# Altium PCB MKontr.PcbDoc (part 2 of 3)
Units mm, origin at the board's own origin, x right, y up, seen from the top; angles counter-clockwise.
Board outline 160 x 125 mm, 2 copper layers (Top Layer, Bottom Layer), stack 1.571 mm thick; 243 components, 241 nets, 966 pads, 239 vias.
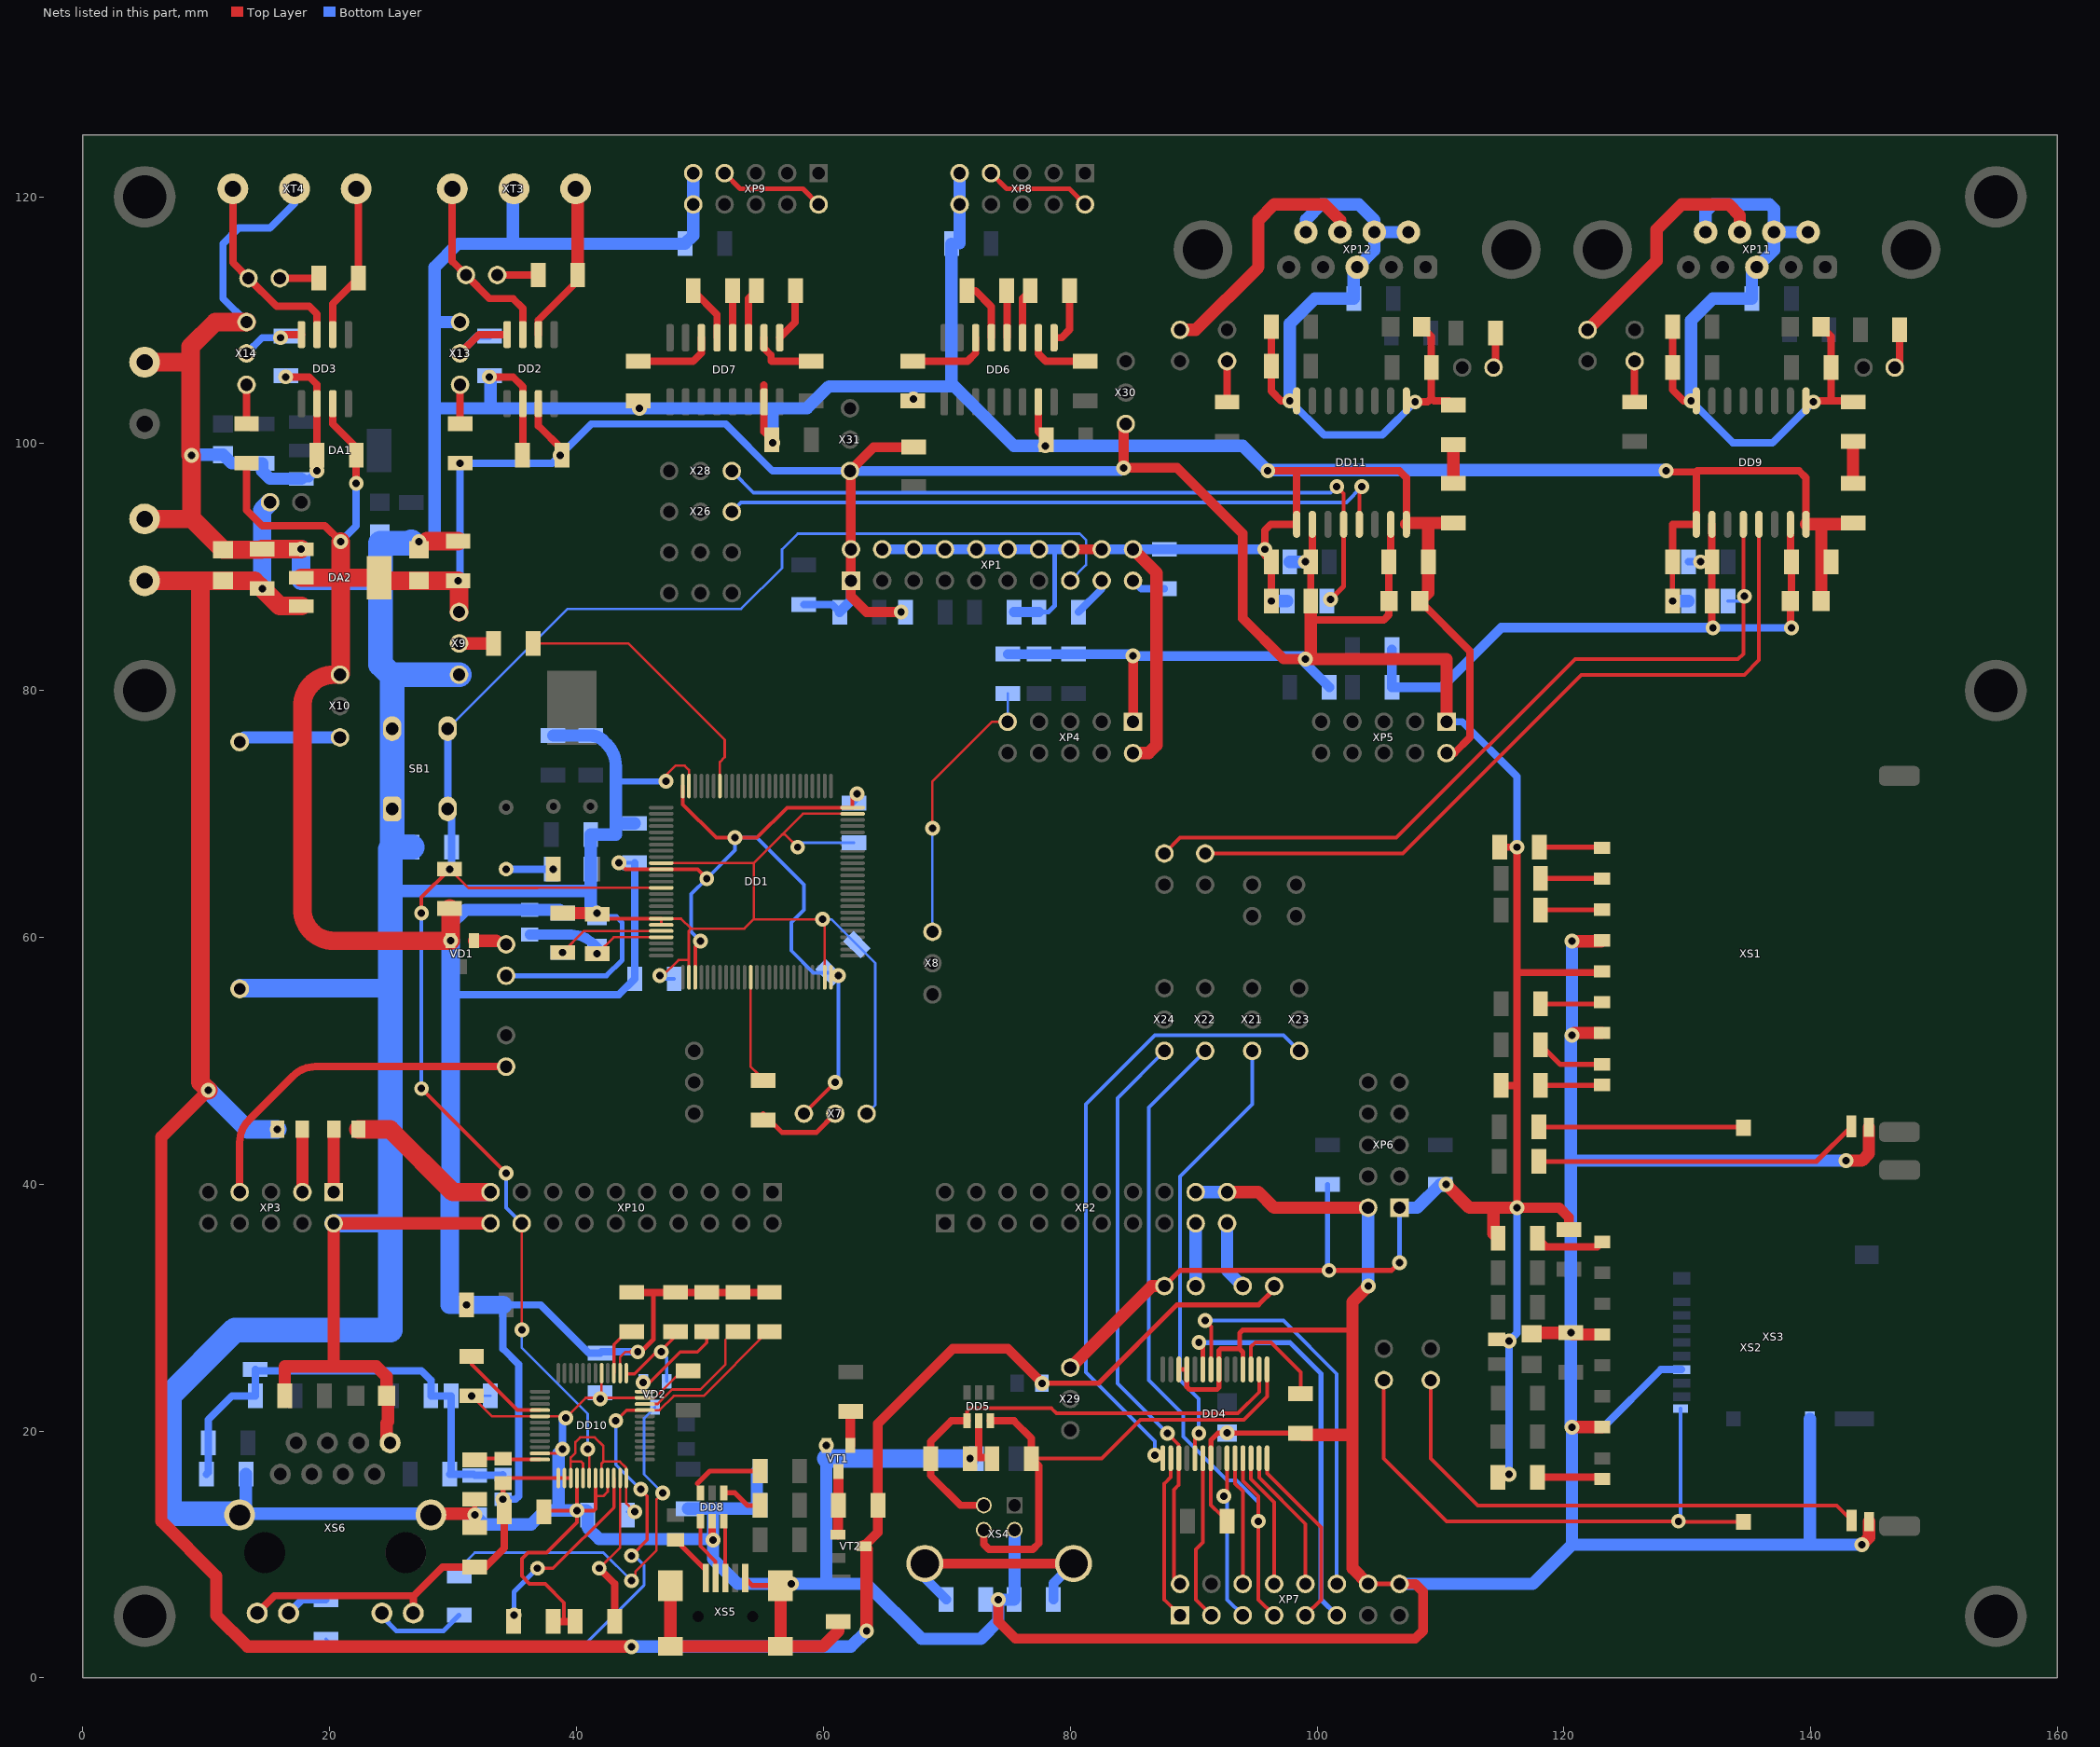
[diagram p2: the nets of this part, all layers, seen from the top]

## Via types
v1: diameter 1.2, hole 0.6, Top Layer to Bottom Layer, 239 vias

## Nets (pads, with @x,y where several pads share a name; then routed paths per layer and width w, separated by ;. In a path a pad name is that pad's centre, name@x,y a point inside that pad or via, vN(x,y) a via of type N, cw(c..) or ccw(c..) an arc to the next point about the centre after c; other vN are vias at no path point) (continued)
+3,3V: C6.1 C8.1 C17.1 C18.1 C19.1 C20.1 C21.1 C22.1 C47.1 C48.1 C49.1 C50.2 C58.1 C59.1 C63.1 C64.2 C67.2 C69.2 C72.2 C76.2 DA2.2 DA2.4 DD1.11 DD1.28 DD1.50 DD1.75 DD1.100 DD2.3 DD3.3 DD9.2 DD9.7 DD10.14 DD10.37 DD10.38 DD10.39 DD10.41 DD10.44 DD10.48 DD11.2 DD11.7 L1.2 L3.1 L4.1 L7.1 L8.2 R1.2 R3.2 R5.2 R7.2 R8.2 R12.2 R13.2 R14.2 R15.2 R16.2 R17.2 R18.2 R20.2 R26.1 R27.2 R28.2 R33.1 R34.1 R35.1 R36.2 R41.2 R48.1 R55.1 R63.1 R64.1 R65.1 R66.1 R67.1 R72.2 VD1.2 X1.1 X7.1 X9.1 X10.1 X29.1 X30.3 X31.3 XP1.1 XP1.2 XP4.1 XP5.1 XP6.1 XP10.19 XS1.4 XS6.9 XS6.12 | length 745
  Top Layer w0.2: DD10.39@39.525,16.197 39.525,17.526 ; DD10.41@40.525,16.197 40.525,17.387 40.386,17.526 39.525,17.526 ; DD10.44@42.025,16.197 42.025,17.387 42.164,17.526 ; DD10.14@43.525,24.697 43.525,25.999 43.942,26.416 v1@44.45,26.416 ; v1(44.704,13.462) 44.025,14.141 DD10.48@44.025,16.197 44.025,17.008 43.507,17.526 42.164,17.526 ; 39.525,17.526 39.525,17.861 39.9,18.236 39.9,19.1 40.292,19.492 41.468,19.492 42.164,18.796 42.164,17.526
  Top Layer w0.3: L8.2@34.036,15.78 34.453,16.197 DD10.37@38.525,16.197 DD10.38@39.025,16.197 DD10.39@39.475,16.197 ; v1(43.434,66.04) 43.958,65.516 DD1.11@46.86,65.516 49.8,65.516 v1(50.546,64.77) ; DD1.100@48.61,72.266 48.61,70.77 51.308,68.072 v1(52.832,68.072) 54.61,68.072 57.054,70.516 DD1.75@62.36,70.516 62.36,71.25 v1(62.738,71.628) ; DD1.28@49.61,56.766 49.61,59.262 v1(50.038,59.69) ; X7.1@58.42,45.72 v1(60.96,48.26)
  Top Layer w0.4: v1(34.036,14.478) L8.2@34.036,15.78 ; v1@44.45,26.416 45.212,26.416 46.228,27.432 46.228,31.242 ; X1.1@87.63,31.75 88.9,33.02 v1(100.965,33.02) 106.045,33.02 v1(106.68,33.655)
  Top Layer w0.6: R34.1@13.255,98.425 13.255,94.615 14.525,93.345 19.605,93.345 v1(20.875,92.075) ; XS6.9@14.122,5.26 15.522,6.66 26.74,6.66 26.772,6.628 ; DD3.3@20.24,103.245 20.24,101.6 22.145,99.695 C22.1@22.145,99.06 v1(22.145,96.774) ; 22.145,89.14 22.145,89.535 ; XS6.12@26.772,5.26 26.772,6.628 ; C69.2@34.138,13.462 34.138,10.516 32.614,8.992 C67.2@31.75,8.992 29.136,8.992 26.772,6.628 ; DD2.3@36.91,103.245 36.91,101.44 C21.1@38.815,99.535 ; R67.1@44.45,31.242 46.228,31.242 R63.1@55.626,31.242 ; 99.488,85.932 99.695,85.725 105.41,85.725 105.813,86.128 C64.2@105.813,90.424 105.965,90.576 DD11.7@105.965,93.472 ; C58.1@99.488,87.249 C63.1@99.488,90.424 99.615,90.551 DD11.2@99.615,93.472 ; L4.1@114.554,27.432 115.443,27.432 v1(115.57,27.305) ; R36.2@114.656,16.256 115.316,16.256 v1(115.57,16.51) ; R26.1@114.808,67.31 v1(116.205,67.31) 116.205,57.15 ; R20.2@114.91,48.006 116.205,48.006 ; v1(116.205,38.1) 116.205,48.006 ; XS1.4@123.094,57.254 122.99,57.15 116.205,57.15 ; v1(131.064,90.424) C49.1@132,90.424 ; v1@132,85.09 C47.1@132,87.249 C49.1@132,90.424 ; DD9.2@132,93.472 C49.1@132,90.424 ; DD9.7@138.35,93.472 138.35,90.526 C50.2@138.452,90.424 138.452,87.351 C48.1@138.35,87.249 138.35,85.17 v1(138.43,85.09) ; 116.205,48.006 116.205,57.15
  Top Layer w0.8: v1(66.294,86.36) 63.5,86.36 62.23,87.63 XP1.1@62.23,88.9 XP1.2@62.23,91.44 62.23,97.71 X31.3@62.15,97.79 64.08,99.72 R3.2@67.31,99.72 ; X30.3@84.502,101.6 84.328,101.426 v1(84.328,98.044) 88.646,98.044 93.98,92.71 93.98,85.852 97.282,82.55 v1(99.06,82.55) ; XP4.1@85.09,77.47 v1(85.09,82.804) ; v1(116.205,38.1) 119.634,38.1 120.396,37.338 R35.1@120.396,36.322
  Top Layer w1: X29.1@80.01,25.146 86.614,31.75 X1.1@87.63,31.75 ; C58.1@99.488,87.249 99.488,85.932 99.488,82.978 v1(99.06,82.55) 110.49,82.55 XP5.1@110.49,77.47 ; v1(110.465,39.98) 112.345,38.1 114.3,38.1 ; R41.2@114.672,35.639 114.3,36.011 114.3,38.1 ; v1(116.205,38.1) 114.3,38.1
  Top Layer w1.5: DA2.2@17.7,89.14 20.875,89.14 ; v1(20.875,92.075) 20.875,89.14 ; L1.2@22.32,44.45 24.892,44.45 29.972,39.37 XP10.19@33.02,39.37 ; R8.2@29.718,62.332 29.784,62.266 v1(29.784,59.724) 20.32,59.724 cw(c20.32,62.264) 17.78,62.264 17.78,78.74 cw(c20.32,78.74) 20.32,81.28 X10.1@20.828,81.28 20.875,81.327 20.875,89.14 ; X9.1@30.48,86.36 30.48,88.707 ccw(c30.207,88.707) v1(30.4,88.9) C6.1@27.225,88.9 24.24,88.9 DA2.4@24,89.14 22.145,89.14 20.875,89.14
  Bottom Layer w0.2: C76.2@44.094,13.462 v1(44.704,13.462) ; C76.2@44.221,13.335 v1@44.704,13.335
  Bottom Layer w0.3: v1(43.434,66.04) C17.1@44.704,66.04 ; v1(50.038,59.69) 49.276,60.452 49.276,63.5 v1(50.546,64.77) 52.832,67.056 v1(52.832,68.072) 54.61,68.072 58.42,64.262 58.42,62.23 57.404,61.214 57.404,58.928 59.182,57.15 C20.1@60.452,57.15 60.96,57.15 v1(61.214,56.896) 61.214,48.514 v1(60.96,48.26) ; C19.1@62.484,70.866 62.738,71.12 v1(62.738,71.628)
  Bottom Layer w0.4: R27.2@100.838,39.98 100.838,33.147 v1(100.965,33.02) ; v1(106.68,33.655) XP6.1@106.68,38.1
  Bottom Layer w0.6: v1(20.875,92.075) 22.145,93.345 v1(22.145,96.774) ; 29.784,55.372 43.434,55.372 C18.1@44.704,56.642 C17.1@44.704,66.04 ; v1(30.4,88.9) 30.56,89.06 v1(30.56,98.425) 38.02,98.425 v1(38.655,99.06) 41.195,101.6 52.07,101.6 55.88,97.79 X31.3@62.15,97.79 ; v1(34.036,14.478) 35.052,14.478 35.306,14.732 35.306,25.4 34.036,26.67 34.036,30.226 37.084,30.226 40.996,26.314 C72.2@41.91,26.314 42.012,26.416 v1(44.958,26.416) ; R7.2@58.42,86.97 60.706,86.97 R1.2@61.316,86.36 ; XP5.1@110.49,77.47 111.76,77.47 116.205,73.025 v1(116.205,67.31) ; v1(115.57,16.51) v1(115.57,27.305) 116.205,27.94 v1(116.205,38.1) ; R48.1@130.095,90.424 v1(131.064,90.424) ; v1(132.08,85.09) v1(138.43,85.09)
  Bottom Layer w0.8: R1.2@61.316,86.36 62.23,87.274 XP1.1@62.23,88.9 ; X31.3@62.15,97.79 84.074,97.79 v1(84.328,98.044) ; R15.2@74.93,82.956 R12.2@77.47,82.956 R14.2@80.264,82.956 84.938,82.956 v1(85.09,82.804) 98.806,82.804 v1(99.06,82.55) 99.06,82.194 R18.2@100.99,80.264 ; R17.2@106.07,83.312 R16.2@106.07,80.264 110.109,80.264 110.49,80.645 ; XP5.1@110.49,77.47 110.49,80.645 ; v1(132.08,85.09) 114.935,85.09 110.49,80.645
  Bottom Layer w1: v1(29.784,59.724) 29.784,61.026 30.988,62.23 L3.1@36.195,62.23 38.608,62.23 R13.2@38.862,61.976 ; R55.1@97.79,90.424 v1(99.06,90.424) ; XP6.1@106.68,38.1 108.102,38.1 R28.2@109.982,39.98 v1(110.465,39.98)
  Bottom Layer w1.5: v1(29.784,59.724) 29.784,55.372 29.784,39.436 29.718,39.37 ; XP10.19@33.02,39.37 29.718,39.37 ; 34.036,30.226 v1(31.09,30.226) 29.718,30.226 29.718,39.37
+5V: C2.1 C4.1 DA2.3 L2.2 L5.2 R46.2 VT2.3 X2.1 X4.1 XT2.1 | length 225.8
  Top Layer w0.4: v1(77.724,23.876) 82.296,23.876 88.646,30.226 95.25,30.226 96.52,31.496 X2.1@96.52,31.75
  Top Layer w0.8: v1(15.748,44.45) L2.2@15.78,44.45 ; VT2.3@63.454,10.841 64.414,11.802 R46.2@64.414,13.97 64.414,20.599 70.485,26.67 74.93,26.67 v1(77.724,23.876)
  Top Layer w1: v1(10.16,47.625) 6.35,43.815 6.35,12.7 10.795,8.255 10.795,5.08 13.335,2.54 v1(44.45,2.54) ; VT2.3@63.28,10.668 63.5,10.448 v1(63.5,3.81)
  Top Layer w1.5: XT2.1@5,88.9 9.525,88.9 ; v1(10.16,47.625) 9.525,48.26 9.525,88.9 ; DA2.3@17.7,86.84 15.95,86.84 v1(14.525,88.265) 13.89,88.9 C4.1@11.35,88.9 9.525,88.9
  Bottom Layer w1: v1(44.45,2.54) 62.23,2.54 v1(63.5,3.81)
  Bottom Layer w1.5: v1(10.16,47.625) 13.335,44.45 v1(15.748,44.45) ; v1(14.525,88.265) 14.525,94.615 X4.1@15.16,95.25
\RE1: DD9.4 R49.2 X20.1 | length 65.6
  Top Layer w0.3: X20.1@87.63,66.802 88.9,68.072 106.426,68.072 120.904,82.55 134.112,82.55 134.54,82.978 DD9.4@134.54,93.472
  Bottom Layer w0.3: R49.2@133.295,87.249 134.239,87.249 v1(134.62,87.63)
\RE2: DD11.4 R54.2 X28.3 | length 59.8
  Top Layer w0.3: v1(101.6,96.52) 102.155,95.965 DD11.4@102.155,93.472
  Top Layer w0.4: v1(101.092,87.376) 102.155,88.439 DD11.4@102.155,93.472
  Bottom Layer w0.3: X28.3@52.578,97.79 54.356,96.012 101.092,96.012 v1(101.6,96.52)
ACT: R61.1 XS6.11 | length 7.5
  Bottom Layer w0.4: XS6.11@24.232,5.26 24.232,4.978 25.4,3.81 29.21,3.81 R61.1@30.48,5.08
AGND: VD1.1 X5.1 | length 1.8
  Top Layer w1: VD1.1@31.684,59.724 33.494,59.724
AVDD33: C57.2 DD10.36 L8.1 | length 5.4
  Top Layer w0.3: C57.2@31.75,17.678 31.852,17.78 L8.1@34.036,17.78 34.119,17.697 DD10.36@37.025,17.697
BOOT0: DD1.94 R11.2 | length 22.7
  Top Layer w0.2: R11.2@36.474,83.82 44.196,83.82 52.004,76.012 52.004,74.61 51.61,74.216 DD1.94@51.61,72.266
BOOT1: DD1.37 R10.2 | length 8.5
  Top Layer w0.2: DD1.37@54.11,56.766 54.11,49.522 54.712,48.92 R10.2@55.118,48.92
D+: C28.2 DD4.15 DD5.3 XS4.3 | length 42.1
  Top Layer w0.3: C28.2@76.86,17.78 82.55,17.78 85.676,20.906 94.058,20.906 95.95,22.798 DD4.15@95.95,25
  Top Layer w0.6: XS4.3@72.988,11.99 72.988,10.832 73.406,10.414 76.962,10.414 77.47,10.922 77.47,17.17 C28.2@76.86,17.78 76.86,19.406 75.438,20.828 DD5.3@73.528,20.828
D-: C26.2 DD4.16 DD5.1 XS4.2 | length 38.9
  Top Layer w0.3: DD5.1@71.628,20.828 71.628,21.59 71.882,21.844 78.486,21.844 78.874,21.456 93.592,21.456 95.3,23.164 DD4.16@95.3,25
  Top Layer w0.6: DD5.1@71.628,20.828 70.358,20.828 68.682,19.152 C26.2@68.682,17.78 68.682,16.408 71.1,13.99 XS4.2@72.988,13.99
DE1: DD9.5 X18.1 | length 62.4
  Top Layer w0.3: X18.1@90.932,66.802 106.934,66.802 121.412,81.28 134.62,81.28 135.81,82.47 DD9.5@135.81,93.472
DE2: DD11.5 X26.3 | length 55
  Top Layer w0.3: DD11.5@103.425,93.472 103.425,96.313 v1(103.632,96.52)
  Bottom Layer w0.3: X26.3@52.578,94.488 53.34,95.25 102.362,95.25 v1(103.632,96.52)
ETH_X1: C61.2 DD10.46 ZQ3.1 | length 15.2
  Top Layer w0.25: ZQ3.1@36.83,8.89 38.1,8.89 43.025,13.815 DD10.46@43.025,16.197
  Bottom Layer w0.4: v1(34.925,5.08) 34.925,6.985 ZQ3.1@36.83,8.89
ETH_X2: C60.2 DD10.47 ZQ3.2 | length 12.8
  Top Layer w0.2: ZQ3.2@41.83,8.89 43.525,10.585 DD10.47@43.525,16.197
  Top Layer w0.6: ZQ3.2@41.83,8.89 43.078,7.642 C60.2@43.078,4.572
FT232_CTS: DD4.11 X22.3 XP7.7 | length 57.9
  Top Layer w0.3: DD4.11@94,17.8 94,15.982 95.25,14.732 v1(95.25,12.7) 95.25,6.35 XP7.7@96.52,5.08
  Bottom Layer w0.3: X22.3@90.932,50.8 86.36,46.228 86.36,24.13 89.154,21.336 89.154,19.558 92.71,16.002 93.472,16.002 95.25,14.224 v1(95.25,12.7)
FT232_DCD: DD4.10 XP7.6 | length 10.4
  Top Layer w0.3: DD4.10@93.35,17.8 93.35,15.76 93.98,15.13 XP7.6@93.98,7.62
FT232_DSR: DD4.9 XP7.5 | length 13.5
  Top Layer w0.3: v1(92.456,14.732) 92.7,14.976 DD4.9@92.7,17.8
  Bottom Layer w0.3: v1(92.456,14.732) 92.71,14.478 92.71,6.35 XP7.5@93.98,5.08
FT232_DTR: DD4.2 XP7.1 | length 13.5
  Top Layer w0.3: DD4.2@88.15,17.8 88.15,16.268 87.63,15.748 87.63,6.35 XP7.1@88.9,5.08
FT232_RI: DD4.6 XP7.3 | length 13.5
  Top Layer w0.3: DD4.6@90.75,17.8 90.75,10.994 90.17,10.414 90.17,6.35 XP7.3@91.44,5.08
FT232_RTS: DD4.3 X24.3 XP7.2 | length 47.2
  Top Layer w0.3: v1(87.884,19.812) 88.8,18.896 DD4.3@88.8,17.8 88.8,15.648 88.392,15.24 88.392,8.128 XP7.2@88.9,7.62
  Bottom Layer w0.3: X24.3@87.63,50.8 83.82,46.99 83.82,23.876 v1(87.884,19.812)
FT232_RXD: DD4.5 X21.3 | length 36.2
  Top Layer w0.3: DD4.5@90.1,17.8 90.1,19.488 v1(90.424,19.812)
  Bottom Layer w0.3: v1(90.424,19.812) 90.424,22.606 88.9,24.13 88.9,40.64 94.742,46.482 X21.3@94.742,50.8
FT232_SBUS0: DD4.23 XP7.11 | length 33.4
  Top Layer w0.4: v1(90.424,27.178) 90.75,26.852 DD4.23@90.75,25
  Bottom Layer w0.4: v1(90.424,27.178) 97.79,27.178 100.33,24.638 100.33,6.35 XP7.11@101.6,5.08
FT232_SBUS1: DD4.22 XP7.12 | length 33.6
  Top Layer w0.3: v1(90.932,28.956) 91.424,28.464 91.424,25.024 DD4.22@91.4,25
  Bottom Layer w0.3: v1(90.932,28.956) 97.282,28.956 101.6,24.638 XP7.12@101.6,7.62
FT232_SBUS2: DD4.13 XP7.10 | length 11.7
  Top Layer w0.3: DD4.13@95.3,17.8 95.3,16.238 99.06,12.478 XP7.10@99.06,7.62
FT232_SBUS3: DD4.14 XP7.9 | length 15.1
  Top Layer w0.3: DD4.14@95.95,17.8 95.95,16.572 100.33,12.192 100.33,6.35 XP7.9@99.06,5.08
FT232_SBUS4: DD4.12 XP7.8 | length 11
  Top Layer w0.3: DD4.12@94.65,17.8 94.65,16.11 96.52,14.24 XP7.8@96.52,7.62
FT232_TXD: DD4.1 X23.3 | length 51.6
  Top Layer w0.3: v1(86.868,18.034) 87.102,17.8 DD4.1@87.5,17.8
  Bottom Layer w0.3: v1(86.868,18.034) 86.868,19.17 81.28,24.758 81.28,46.482 86.868,52.07 97.282,52.07 X23.3@98.552,50.8
GND: C1.2 C2.2 C3.2 C4.2 C5.2 C6.2 C7.2 C8.2 C9.1 C10.1 C11.1 C12.2 C13.2 C14.1 C15.2 C16.2 C17.2 C18.2 C19.2 C20.2 C21.2 C22.2 C23.2 C24.2 C25.1 C26.1 C27.1 C28.1 C29.2 C30.1 C31.1 C32.1 C33.1 C38.2 C39.2 C40.1 C43.1 C44.2 C45.1 C46.2 C47.2 C48.2 C49.2 C50.1 C51.2 C57.1 C58.2 C59.2 C60.1 C61.1 C62.2 C63.2 C64.1 C65.1 C66.1 C67.1 C68.1 C69.1 C70.2 C71.1 C72.1 C74.1 C75.1 C76.1 C81.2 DA1.1 DA2.1 DD1.10 DD1.19 DD1.20 DD1.27 DD1.49 DD1.74 DD1.99 DD2.2 DD3.2 DD4.7 DD4.18 DD4.21 DD4.25 DD4.26 DD5.2 DD6.15 DD7.15 DD8.2 DD9.1 DD9.8 DD10.11 DD10.17 DD10.29 DD10.35 DD10.40 DD10.43 DD10.45 DD11.1 DD11.8 E1.2 R2.1 R4.1 R6.1 R37.2 R39.2 R42.1 R49.1 R54.1 R56.1 SB1.1 SB1.2 VT1.2 X5.2 X7.3 X9.3 X13.1 X14.1 XP1.4 XP1.6 XP1.8 XP1.10 XP1.12 XP1.14 XP1.16 XP1.18 XP1.20 XP2.18 XP2.20 XP3.2 XP4.2 XP5.2 XP6.2 XP7.14 XP7.16 XP8.9 XP8.10 XP9.9 XP9.10 XP10.20 XS1.3 XS1.6 XS1.12 XS2.3 XS2.6 XS2.12 XS3.6 XS3.10 XS4.4 XS5.5 XS5.6 XS5.7 XS5.8 XS5.9 XS6.8 XS6.13 XS6.14 XT1.2 XT2.2 XT3.2 XT4.2 | length 1237.4
  Top Layer w0.2: v1(31.496,22.86) 33.159,21.197 DD10.29@37.025,21.197 39.001,21.197 v1(39.116,21.082) 40.731,22.697 DD10.11@45.525,22.697 46.336,22.697 48.531,24.892 C75.1@49.022,24.892 ; DD10.35@37.025,18.197 38.517,18.197 38.543,18.197 38.862,18.516 v1(38.862,18.542) ; 41.525,14.732 42.164,14.732 42.525,15.093 DD10.45@42.525,16.197 ; v1@42.025,22.812 DD10.17@42.025,24.697 ; v1(46.736,56.896) 46.99,56.896 48.26,58.166 49.088,58.166 ; DD1.19@46.86,61.516 48.466,61.516 49.276,60.706 ; DD1.10@46.86,66.016 54.332,66.016 ; v1(47.244,72.644) 47.244,73.152 48.006,73.914 48.768,73.914 49.11,73.572 DD1.99@49.11,72.266 ; DD1.27@49.11,56.766 49.088,56.788 49.088,58.166 ; v1(57.912,67.31) 56.896,68.326 56.642,68.326 ; DD1.49@60.11,56.766 60.11,61.302 v1(59.944,61.468) 54.356,61.468 ; DD1.74@62.36,70.016 58.332,70.016 56.642,68.326 ; 49.088,58.166 49.088,60.518 49.276,60.706 ; 49.276,60.706 53.594,60.706 54.356,61.468 ; 54.332,66.016 54.356,65.992 54.356,61.468 ; 54.332,66.016 56.642,68.326
  Top Layer w0.25: DD1.20@46.86,61.016 DD1.19@46.86,61.516
  Top Layer w0.3: C69.1@37.338,13.462 37.445,13.569 v1(40.025,13.569) ; 38.989,4.572 38.989,6.096 37.465,7.62 36.195,7.62 35.56,8.255 35.56,9.652 36.068,10.16 37.592,10.16 40.025,12.593 v1(40.025,13.569) ; DD10.40@40.025,16.197 v1(40.025,13.569) ; DD10.43@41.525,16.197 41.525,14.732 41.525,13.7 41.394,13.569 v1(40.025,13.569) ; C13.2@42.116,61.516 DD1.19@46.86,61.516 ; DD4.7@91.4,17.8 91.4,14.01 C25.1@92.202,13.208
  Top Layer w0.4: v1@31.75,13.412 C57.1@31.75,14.478 ; XS5.5@53.659,8.08 54.252,7.487 XS5.6@56.509,7.487 ; DD4.26@88.8,25 DD4.25@89.45,25 89.45,23.58 89.662,23.368 91.898,23.368 92.05,23.52 DD4.21@92.05,25 92.05,26.518 92.202,26.67 93.726,26.67 ; DD4.7@91.4,17.8 91.4,19.264 91.968,19.832 C27.1@98.676,19.832 ; DD4.18@94,25 94,26.396 93.726,26.67 ; 102.87,28.194 93.98,28.194 93.726,27.94 93.726,26.67 ; XP7.14@104.14,7.62 XP7.16@106.68,7.62 ; v1(128.8,87.249) C49.2@128.8,90.424
  Top Layer w0.6: v1(16.43,105.41) 18.335,105.41 18.97,104.775 DD3.2@18.97,103.245 C22.2@18.97,99.06 ; v1(32.94,105.41) 34.845,105.41 35.64,104.615 DD2.2@35.64,103.245 35.64,99.085 C21.2@35.615,99.06 ; C61.1@38.1,4.572 38.989,4.572 C60.1@39.878,4.572 ; DD8.2@50.988,12.7 50.988,11.242 v1(51.054,11.176) ; 55.19,104.75 DD7.15@55.19,103.385 55.19,100.965 C45.1@55.825,100.33 ; DD5.2@72.578,20.828 72.578,17.846 73.594,17.846 C28.1@73.66,17.78 ; DD6.15@77.415,103.385 77.415,100.965 C43.1@78.05,100.33 ; v1(96.012,97.79) 106.68,97.79 107.235,97.235 DD11.8@107.235,93.472 ; v1(96.288,87.249) C63.2@96.288,90.424 95.758,90.954 v1(95.758,91.44) 95.758,92.964 96.266,93.472 DD11.1@98.345,93.472 98.345,97.79 ; C59.2@108.338,87.249 112.395,83.192 112.395,76.2 111.125,74.93 XP5.2@110.49,74.93 ; v1(128.27,97.79) 128.35,97.71 130.73,97.71 ; C49.2@128.8,90.424 128.8,93.472 DD9.1@130.73,93.472 130.73,97.71 ; DD9.8@139.62,93.472 139.62,97.235 139.065,97.79 130.81,97.79 130.73,97.71
  Top Layer w0.8: v1(74.168,6.35) 74.168,4.572 75.565,3.175 107.95,3.175 108.585,3.81 108.585,6.985 107.95,7.62 XP7.16@106.68,7.62 ; XP1.16@80.01,91.44 XP1.18@82.55,91.44
  Top Layer w1: C81.2@16.358,22.86 16.358,25.248 20.32,25.248 ; v1(17.675,91.465) DA2.1@17.7,91.44 ; XS6.8@24.892,19.05 24.598,19.344 24.598,20.657 24.718,20.777 24.718,22.74 C62.2@24.598,22.86 24.598,24.424 23.774,25.248 20.32,25.248 ; XS6.14@28.197,13.31 v1@31.648,13.31 ; XP10.20@33.02,36.83 XP3.2@20.32,36.83 20.32,25.248 ; C14.1@38.862,61.976 v1(41.656,61.976) ; C39.2@45.005,103.48 45.085,103.4 v1(45.085,102.87) ; XS5.8@47.609,7.487 XS5.9@47.609,2.573 55.979,2.573 XS5.7@56.255,2.849 ; XS5.6@56.509,7.487 56.531,7.465 XS5.7@56.531,2.573 59.977,2.573 61.214,3.81 C40.1@61.214,4.572 ; v1(60.232,18.83) VT1.2@60.264,18.83 ; XP4.2@85.09,74.93 86.36,74.93 86.995,75.565 86.995,89.535 XP1.20@85.09,91.44 ; XP2.20@92.71,39.37 95.25,39.37 96.52,38.1 XP6.2@104.14,38.1 ; C27.1@98.676,19.832 98.823,19.685 102.87,19.685 ; XP7.14@104.14,7.62 102.87,8.89 102.87,19.685 ; v1(104.14,31.75) 102.87,30.48 102.87,28.194 102.87,19.685 ; DD11.8@107.235,93.472 107.337,93.574 108.966,93.574 ; C59.2@108.338,87.249 109.013,87.924 C64.1@109.013,90.424 109.013,93.527 108.966,93.574 ; C70.2@111.045,93.574 108.966,93.574 ; C23.2@117.395,27.9 117.46,27.965 v1(120.57,27.965) 120.706,27.829 XS2.3@123.11,27.829 ; v1(120.65,20.32) 120.659,20.329 XS2.6@123.11,20.329 ; v1(120.65,52.07) 120.834,52.254 XS1.6@123.094,52.254 ; v1(120.65,59.69) 123.03,59.69 XS1.3@123.094,59.754 ; DD9.8@139.62,93.472 140.73,93.472 ; C48.2@140.85,87.249 140.85,90.424 ; C50.1@141.652,90.424 140.85,90.424 ; v1(142.875,41.91) 144.145,41.91 144.719,42.484 XS1.12@144.719,44.609 ; C51.2@143.43,93.574 143.328,93.472 140.73,93.472 ; v1(144.145,10.795) 144.735,11.385 XS2.12@144.735,12.684 ; 140.73,93.472 140.85,93.352 140.85,90.424
  Top Layer w1.5: XT2.2@5,93.9 8.85,93.9 ; XT1.2@5,106.6 8.73,106.6 ; v1@8.73,99.06 8.73,106.6 ; v1(8.81,99.06) 8.81,94.1 8.73,94.02 8.85,93.9 ; X14.1@13.255,109.855 10.715,109.855 8.73,107.87 8.73,106.6 ; v1(17.675,91.465) C2.2@14.525,91.465 14.46,91.4 C4.2@11.35,91.4 8.85,93.9 ; C6.2@27.885,92.1 C8.2@30.4,92.1
  Bottom Layer w0.2: v1(31.496,22.86) C71.1@33.02,22.86 ; v1(57.912,67.31) 58.268,67.666 C19.2@62.484,67.666 ; v1(59.944,61.468) 60.659,61.468 C20.2@62.715,59.413 64.196,57.931 64.196,46.416 X7.3@63.5,45.72
  Bottom Layer w0.3: v1(46.736,56.896) 46.99,56.642 C18.2@47.904,56.642
  Bottom Layer w0.4: X5.2@34.29,56.896 42.418,56.896 43.688,58.166 43.688,61.214 43.22,61.682 C12.2@41.656,61.682 ; R4.1@77.47,86.36 78.232,86.36 78.74,86.868 78.74,91.44
  Bottom Layer w0.5: 43.18,72.644 v1(47.244,72.644)
  Bottom Layer w0.6: X14.1@13.255,109.855 11.35,111.76 11.35,116.205 12.62,117.475 15.16,117.475 17.145,119.46 XT4.2@17.145,120.65 ; DA1.1@17.7,97.155 18.335,97.155 v1(18.97,97.79) ; v1(38.862,18.542) 38.862,20.828 v1(39.116,21.082) ; v1(120.65,20.32) 123.19,20.32 127.85,24.98 XS3.6@129.54,24.98
  Bottom Layer w0.8: XP1.4@64.77,91.44 XP1.6@67.31,91.44 XP1.8@69.85,91.44 XP1.10@72.39,91.44 XP1.12@74.93,91.44 XP1.14@77.47,91.44 78.74,91.44 XP1.16@80.01,91.44 ; R6.1@75.438,86.36 R4.1@77.47,86.36 ; XP1.18@82.55,91.44 XP1.20@85.09,91.44 R2.1@87.63,91.44 v1(95.758,91.44)
  Bottom Layer w1: v1(8.81,99.06) 8.85,99.1 C3.2@11.35,99.1 12.05,98.4 C1.2@14.525,98.4 14.525,97.79 15.16,97.155 DA1.1@17.7,97.155 ; E1.2@12.7,55.83 E1.2@12.75,55.88 ; C65.1@13.208,16.51 13.208,13.821 12.697,13.31 XS6.14@28.197,13.31 ; 24.892,63.754 41.148,63.754 ; 24.892,67.136 cw(c25.449,67.136) 25.055,67.53 ; v1(27.225,92.05) 27.25,92.075 28.495,92.075 28.495,102.87 ; X13.1@30.56,109.855 28.495,109.855 ; v1(31.75,13.208) 32.512,12.446 36.322,12.446 37.445,13.569 38.608,13.569 ; R37.2@32.94,105.512 33.02,105.432 33.02,102.87 ; XT3.2@34.925,120.65 34.845,120.57 34.845,116.205 ; C16.2@38.1,76.352 C15.2@41.148,76.352 cw(c41.148,74.879) 42.189,75.921 ; v1(38.862,18.542) 38.543,18.223 38.543,13.634 38.608,13.569 ; v1(41.656,61.976) 41.148,62.484 41.148,63.754 ; 42.436,75.674 cw(c40.64,73.878) 43.18,73.878 43.18,72.644 43.18,69.342 ; C17.2@44.704,69.24 43.282,69.24 43.18,69.342 ; C66.1@49.022,13.716 51.054,13.716 ; XP9.9@49.45,121.92 XP9.10@49.45,119.38 49.45,116.865 C46.2@48.79,116.205 34.845,116.205 ; C33.1@54.61,16.764 54.61,13.97 54.356,13.716 51.054,13.716 ; v1(55.88,100.076) 55.88,102.87 ; 60.232,17.78 60.232,7.654 60.198,7.62 ; C44.2@70.38,116.205 70.38,104.88 70.612,104.648 ; 71.04,116.23 XP8.10@71.04,119.38 XP8.9@71.04,121.92 ; XS4.4@75.488,11.99 75.488,6.4 R42.1@75.438,6.35 v1(74.168,6.35) 74.168,4.572 72.771,3.175 67.945,3.175 63.5,7.62 60.198,7.62 ; XP2.18@90.17,39.37 XP2.20@92.71,39.37 ; v1(96.288,87.249) R54.1@97.583,87.249 ; v1(104.14,31.75) XP6.2@104.14,38.1 ; XP7.16@106.68,7.62 117.475,7.62 120.65,10.795 ; v1(120.65,59.69) v1(120.65,52.07) 120.57,51.99 120.57,41.91 ; v1(128.27,97.79) 128.19,97.87 96.092,97.87 v1(96.012,97.79) 93.98,99.822 v1(77.978,99.822) 75.438,99.822 70.612,104.648 ; v1(128.8,87.249) R49.1@130.095,87.249 ; XS3.10@139.94,20.98 139.94,11.035 139.7,10.795 ; v1(142.875,41.91) 120.57,41.91 ; v1(144.145,10.795) 139.7,10.795 ; 28.495,102.87 33.02,102.87 ; 28.495,102.87 28.495,109.855 ; 28.495,109.855 28.495,114.3 30.4,116.205 34.845,116.205 ; 33.02,102.87 v1(45.085,102.87) 55.88,102.87 ; 38.608,13.569 v1(40.025,13.569) 40.787,13.569 40.894,13.462 C76.1@40.894,13.208 40.894,12.192 41.83,11.256 50.974,11.256 v1(51.054,11.176) ; 41.148,63.754 C10.1@41.148,65.532 C9.1@41.148,68.326 43.18,68.326 43.18,69.342 ; v1(51.054,11.176) 51.054,9.652 53.086,7.62 v1(57.404,7.62) 60.198,7.62 ; v1(51.054,11.176) 51.054,13.716 ; 55.88,102.87 58.674,102.87 60.452,104.648 70.612,104.648 ; 120.57,41.91 v1(120.57,27.965) 120.57,20.4 v1(120.65,20.32) 120.65,10.795 ; 120.65,10.795 139.7,10.795
  Bottom Layer w1.5: E1.2@12.75,55.88 24.892,55.88 ; v1(17.675,91.465) 17.675,88.9 24.13,88.9 ; XP3.2@20.32,36.83 24.892,36.83 ; 60.232,17.78 v1(71.882,17.78)
  Bottom Layer w2: XS6.13@12.697,13.31 7.01,13.31 7.01,22.885 12.319,28.194 C74.1@13.97,28.194 24.892,28.194 24.892,36.83 24.892,55.88 24.892,63.754 24.892,67.136 ; C7.2@26.59,92.05 26.488,91.948 24.13,91.948 24.13,88.9 24.13,82.114 25.055,81.189 ; C11.1@26.67,67.31 25.146,67.31 cw(c25.366,67.53) 25.055,67.53 SB1.1@25.055,70.41 SB1.2@25.055,76.91 25.055,81.189 ; X9.3@30.48,81.28 25.146,81.28 25.055,81.189
  other v1: 92.71,19.852 41.91,22.606 67.31,103.632
GND1: C52.1 C53.2 C54.1 C55.2 C56.2 DD9.9 DD9.16 R52.2 XP11.3 XP11.6 XP11.7 XP11.9 | length 59.4
  Top Layer w0.6: C55.2@128.8,109.474 C53.2@128.8,106.172 128.8,104.372 129.7,103.472 ; XP11.7@137.02,117.14 XP11.7@137.16,117.28 ; v1@140.208,103.472 141.732,103.472 ; C56.2@140.85,109.474 141.652,108.672 C54.1@141.652,106.172 141.652,103.552 141.732,103.472 ; C52.1@143.43,103.378 143.336,103.472 141.732,103.472
  Bottom Layer w0.6: v1(130.302,103.472) 133.698,100.076 136.906,100.076 v1(140.208,103.378)
  Bottom Layer w1: v1(130.302,103.472) 130.302,109.982 132.08,111.76 R52.2@135.23,111.76 135.23,113.895 XP11.3@135.635,114.3 137.02,115.685 XP11.7@137.02,117.14 ; XP11.9@131.48,117.14 131.48,118.78 132.08,119.38 136.652,119.38 137.02,119.012 XP11.7@137.02,117.14 ; XP11.6@139.79,117.14 XP11.7@137.02,117.14
GND2: C73.1 C77.2 C78.1 C79.2 C80.2 DD11.9 DD11.16 R70.2 XP12.3 XP12.6 XP12.7 XP12.9 | length 59.7
  Top Layer w0.6: C79.2@96.288,109.474 C77.2@96.288,106.299 96.288,104.261 97.077,103.472 v1(97.79,103.472) ; XP12.7@104.635,117.14 XP12.7@104.775,117.28 ; DD11.9@107.235,103.472 107.329,103.378 v1(107.95,103.378) 108.95,103.378 109.267,103.695 ; C80.2@108.465,109.474 109.267,108.672 C78.1@109.267,106.172 109.267,103.695 ; C73.1@111.045,103.124 110.697,103.472 109.49,103.472 109.267,103.695
  Bottom Layer w0.6: v1(97.79,103.472) 100.558,100.704 105.276,100.704 v1(107.95,103.378)
  Bottom Layer w1: v1(97.79,103.472) 97.79,109.728 99.822,111.76 R70.2@102.972,111.76 102.972,114.022 XP12.3@103.25,114.3 104.635,115.685 XP12.7@104.635,117.14 ; XP12.9@99.095,117.14 99.095,118.145 100.33,119.38 103.378,119.38 104.635,118.123 XP12.7@104.635,117.14 ; XP12.6@107.405,117.14 XP12.7@104.635,117.14
LED0: DD10.9 R62.2 R63.2 | length 58.8
  Top Layer w0.2: DD10.9@45.525,21.697 46.717,21.697 47.88,22.86 50.292,22.86 55.474,28.042 R63.2@55.626,28.042
  Top Layer w0.254: v1(43.18,20.828) 44.049,21.697 DD10.9@45.525,21.697 ; v1(44.45,9.906) 45.72,11.176 45.72,14.732 45.2,15.252 v1(45.2,15.3)
  Bottom Layer w0.254: R62.2@19.685,3.15 20.041,2.794 40.752,2.794 45.466,7.508 45.466,9.144 44.704,9.906 v1(44.45,9.906) ; v1(43.18,20.828) 43.18,17.272 45.152,15.3 v1(45.2,15.3)
LED1: DD10.10 R64.2 | length 9.9
  Top Layer w0.2: DD10.10@45.525,22.197 45.53,22.202 46.576,22.202 46.581,22.197 47.752,23.368 50.038,23.368 52.07,25.4 52.07,27.407
LED2: DD10.12 R65.2 VD2.1 | length 7.3
  Top Layer w0.25: v1(45.405,23.937) 45.913,23.937 48.392,26.416 49.784,26.416 50.546,27.178 R65.2@50.546,28.042
LED3: DD10.13 R66.2 VD2.2 | length 8.2
  Top Layer w0.25: DD10.13@44.025,24.697 44.084,24.638 44.704,24.638 46.482,26.416 46.736,26.416 48.006,27.686 R66.2@48.006,28.042
  Bottom Layer w0.25: v1(46.863,26.416) 47.305,25.974 VD2.2@47.305,24.037
LED4: DD10.15 R67.2 | length 4.2
  Top Layer w0.25: DD10.15@43.025,24.697 43.025,27.023 44.044,28.042 R67.2@44.45,28.042
LINK: R62.1 XS6.10 | length 3.5
  Bottom Layer w0.6: XS6.10@16.662,5.26 17.752,6.35 R62.1@19.685,6.35
NetC10_2: C10.2 R9.1 ZQ1.1 | length 3.7
  Bottom Layer w0.6: ZQ1.1@34.29,65.532 C10.2@37.948,65.532
  other v1: 38.1,65.532
NetC12_1: C12.1 C13.1 DD1.22 L3.2 | length 11.5
  Top Layer w0.2: v1(41.656,58.674) 42.998,60.016 DD1.22@46.86,60.016
  Bottom Layer w0.8: L3.2@36.195,60.23 39.556,60.23 cw(c39.556,57.69) 41.352,59.486 C12.1@41.656,59.182
NetC14_2: C14.2 DD1.21 R13.1 | length 8.7
  Top Layer w0.2: v1(38.862,58.776) 40.602,60.516 DD1.21@46.86,60.516
NetC27_2: C27.2 DD4.17 | length 8.7
  Top Layer w0.3: DD4.17@94.65,25 94.65,26.832 94.996,27.178 96.266,27.178 98.676,24.768 C27.2@98.676,23.032
NetC31_2: C31.2 R42.2 XS4.5 XS4.6 | length 19.3
  Top Layer w0.8: XS4.6@68.218,9.28 XS4.5@80.258,9.28
  Bottom Layer w0.8: XS4.6@68.218,9.28 68.218,8.084 C31.2@69.952,6.35 ; R42.2@78.638,6.35 78.638,7.66 XS4.5@80.258,9.28
NetC34_1: C34.1 DD6.3 | length 4.1
  Top Layer w0.6: DD6.3@76.145,108.585 76.145,111.785 C34.1@76.755,112.395
NetC34_2: C34.2 DD6.1 | length 4.7
  Top Layer w0.6: DD6.1@78.685,108.585 79.295,108.585 79.955,109.245 C34.2@79.955,112.395
NetC35_1: C35.1 DD6.4 | length 3.8
  Top Layer w0.6: C35.1@74.85,112.395 74.875,112.37 DD6.4@74.875,108.585
NetC35_2: C35.2 DD6.5 | length 5
  Top Layer w0.6: C35.2@71.65,112.395 72.31,112.395 73.605,111.1 DD6.5@73.605,108.585
NetC36_1: C36.1 DD7.3 | length 4.1
  Top Layer w0.6: DD7.3@53.92,108.585 53.92,111.76 C36.1@54.555,112.395
NetC36_2: C36.2 DD7.1 | length 4.3
  Top Layer w0.6: DD7.1@56.46,108.585 57.705,109.83 57.705,112.345 C36.2@57.755,112.395
NetC37_1: C37.1 DD7.4 | length 3.8
  Top Layer w0.6: DD7.4@52.65,108.585 C37.1@52.65,112.395
NetC37_2: C37.2 DD7.5 | length 4.6
  Top Layer w0.6: C37.2@49.45,112.395 51.38,110.465 DD7.5@51.38,108.585
NetC38_1: C38.1 DD6.6 | length 6.6
  Top Layer w0.6: C38.1@67.23,106.68 71.675,106.68 72.335,107.34 DD6.6@72.335,108.585
NetC39_1: C39.1 DD7.6 | length 6.6
  Top Layer w0.6: C39.1@45.005,106.68 49.45,106.68 50.11,107.34 DD7.6@50.11,108.585
NetC41_1: C41.1 DD6.2 | length 5.4
  Top Layer w0.6: DD6.2@77.415,108.585 77.415,107.29 78.025,106.68 C41.1@81.225,106.68
NetC42_1: C42.1 DD7.2 | length 5.4
  Top Layer w0.6: DD7.2@55.19,108.585 55.19,107.726 55.76,107.156 55.76,106.72 55.8,106.68 C42.1@59,106.68
NetC51_1: C51.1 C52.2 | length 3.4
  Top Layer w1: C51.1@143.43,96.774 C52.2@143.43,100.178
NetC65_2: C65.2 C68.2 C71.2 C74.2 L7.2 R57.1 R58.1 R59.1 R60.1 | length 39.5
  Bottom Layer w0.6: C65.2@10.008,16.51 10.16,16.662 R57.1@10.16,19.05 10.16,20.93 12.09,22.86 R58.1@13.97,22.86 C74.2@13.97,24.994 14.072,24.892 27.432,24.892 28.194,24.13 R60.1@28.194,22.86 C71.2@29.82,22.86 29.82,16.612 R59.1@29.718,16.51 31.648,16.51 C68.2@31.75,16.408 33.966,16.408 L7.2@34.036,16.478
NetC70_1: C70.1 C73.2 | length 3.2
  Top Layer w1: C70.1@111.045,96.774 C73.2@111.045,99.924
NetDD2_6: DD2.6 R38.1 XT3.3 | length 13.2
  Top Layer w0.6: DD2.6@36.91,108.845 36.91,110.015 40.085,113.19 R38.1@40.085,113.665
  Top Layer w1: XT3.3@39.925,120.65 40.085,120.49 R38.1@40.085,113.665
NetDD2_7: DD2.7 X15.1 XT3.1 | length 15.3
  Top Layer w0.6: XT3.1@29.925,120.65 29.925,114.775 X15.1@31.035,113.665 32.94,111.76 34.845,111.76 35.64,110.965 DD2.7@35.64,108.845
NetDD2_8: DD2.8 R37.1 X13.2 | length 7.4
  Top Layer w0.6: X13.2@30.56,107.315 32.09,108.845 DD2.8@34.37,108.845
  Bottom Layer w0.6: X13.2@30.56,107.315 31.957,108.712 R37.1@32.94,108.712
NetDD3_6: DD3.6 R40.1 XT4.3 | length 12.7
  Top Layer w0.6: DD3.6@20.24,108.845 20.24,111.34 R40.1@22.305,113.405 22.305,120.49 XT4.3@22.145,120.65
NetDD3_7: DD3.7 X16.1 XT4.1 | length 16.2
  Top Layer w0.6: XT4.1@12.145,120.65 12.145,114.675 X16.1@13.415,113.405 15.695,111.125 18.335,111.125 18.97,110.49 DD3.7@18.97,108.845
NetDD3_8: DD3.8 R39.1 X14.2 | length 5.1
  Top Layer w0.6: v1(16.002,108.585) 16.262,108.845 DD3.8@17.7,108.845
  Bottom Layer w0.6: X14.2@13.255,107.315 14.525,108.585 v1(16.002,108.585)
NetDD8_1: DD8.1 XS5.2 | length 5.1
  Top Layer w0.3: DD8.1@50.038,12.7 50.038,10.668 51.259,9.447 XS5.2@51.259,8.08
NetDD8_3: DD8.3 XS5.3 | length 4.7
  Top Layer w0.3: DD8.3@51.938,12.7 52.054,12.584 52.054,8.085 XS5.3@52.059,8.08
NetDD8_4: DD8.4 R45.1 | length 3.4
  Top Layer w0.4: DD8.4@51.938,15 52.818,15 53.848,13.97 R45.1@54.864,13.97
NetDD8_6: DD8.6 R44.1 | length 5.5
  Top Layer w0.4: 49.784,15.748 50.8,16.764 R44.1@54.864,16.764
NetDD10_28: DD10.28 R56.2 | length 7.7
  Top Layer w0.3: R56.2@31.496,26.06 31.496,25.4 35.199,21.697 DD10.28@37.025,21.697
NetE1_1: E1.1 X10.3 | length 8.3
  Bottom Layer w1: E1.1@12.7,75.83 13.07,76.2 X10.3@20.828,76.2
NetL1_1: L1.1 XP3.1 | length 5.1
  Top Layer w1: XP3.1@20.32,39.37 L1.1@20.32,44.45
NetL2_1: L2.1 XP3.3 | length 5.1
  Top Layer w1: XP3.3@17.78,39.37 L2.1@17.78,44.45
NetL6_2: L6.2 XS5.1 | length 4.1
  Top Layer w0.4: L6.2@48.006,11.208 50.459,8.755 XS5.1@50.459,8.08
NetR2_2: R2.2 XP1.19 | length 2.8
  Bottom Layer w0.6: XP1.19@85.09,88.9 85.75,88.24 R2.2@87.63,88.24
NetR4_2: R4.2 XP1.17 | length 3.3
  Bottom Layer w0.6: R4.2@80.67,86.36 82.55,88.24 XP1.17@82.55,88.9
NetR10_1: R10.1 X7.2 | length 7.1
  Top Layer w0.4: R10.1@55.118,45.72 56.642,44.196 59.436,44.196 X7.2@60.96,45.72
NetR11_1: R11.1 X9.2 | length 2.8
  Top Layer w1: X9.2@30.48,83.82 R11.1@33.274,83.82
NetR15_1: R15.1 X8.3 XP4.9 | length 22.6
  Top Layer w0.2: v1(68.834,68.834) 68.834,72.644 73.66,77.47 XP4.9@74.93,77.47
  Bottom Layer w0.2: X8.3@68.834,60.452 v1(68.834,68.834) ; XP4.9@74.93,77.47 R15.1@74.93,79.756
NetR19_1: R19.1 XS1.5 | length 5
  Top Layer w0.4: R19.1@118.11,54.61 122.95,54.61 XS1.5@123.094,54.754
NetR20_1: R20.1 XS1.8 | length 5
  Top Layer w0.4: R20.1@118.11,48.006 123.046,48.006 XS1.8@123.094,48.054
NetR21_1: R21.1 XS1.1 | length 5
  Top Layer w0.4: R21.1@118.11,64.77 123.078,64.77 XS1.1@123.094,64.754
NetR22_1: R22.1 XS1.2 | length 5
  Top Layer w0.4: R22.1@118.11,62.23 123.07,62.23 XS1.2@123.094,62.254
NetR23_1: R23.1 XS1.7 | length 5.6
  Top Layer w0.4: R23.1@118.11,51.308 119.714,49.704 XS1.7@123.094,49.704
NetR24_1: R24.1 XS1.10 | length 16.6
  Top Layer w0.4: R24.1@117.968,44.639 134.479,44.639 XS1.10@134.544,44.574
NetR25_1: R25.1 XS1.11 | length 26.5
  Top Layer w0.4: R25.1@117.968,41.845 140.455,41.845 XS1.11@143.294,44.684
NetR26_2: R26.2 XS1.9 | length 5.1
  Top Layer w0.4: R26.2@118.008,67.31 123.038,67.31 XS1.9@123.094,67.254
NetR33_2: R33.2 X13.3 | length 3.2
  Top Layer w0.6: R33.2@30.56,101.625 X13.3@30.56,104.775
NetR34_2: R34.2 X14.3 | length 3.2
  Top Layer w0.6: R34.2@13.255,101.625 X14.3@13.255,104.775
NetR36_1: R36.1 XS2.8 | length 5.3
  Top Layer w0.6: R36.1@117.856,16.256 122.983,16.256 XS2.8@123.11,16.129
NetR38_2: R38.2 X15.2 | length 3.3
  Top Layer w0.6: X15.2@33.575,113.665 R38.2@36.885,113.665
NetR40_2: R40.2 X16.2 | length 3.1
  Top Layer w0.6: X16.2@15.955,113.405 R40.2@19.105,113.405
NetR41_1: R41.1 XS2.9 | length 5.7
  Top Layer w0.6: R41.1@117.872,35.639 118.586,34.925 122.706,34.925 XS2.9@123.11,35.329
NetR43_1: R43.1 VT1.1 | length 2.8
  Top Layer w0.8: VT1.1@62.164,18.83 62.164,21.524 R43.1@62.23,21.59
NetR46_1: R46.1 VT1.3 VT2.1 | length 5.1
  Top Layer w0.8: VT2.1@61.18,11.618 61.18,13.936 R46.1@61.214,13.97 VT1.3@61.214,16.73
NetR50_1: R50.1 X32.2 | length 3.3
  Top Layer w0.6: R50.1@125.73,103.378 X32.2@125.73,106.68
NetR51_2: R51.2 X33.2 | length 3.2
  Top Layer w0.6: X33.2@146.812,106.172 147.218,106.578 R51.2@147.218,109.22
NetR61_2: R61.2 VD2.3 | length 31.6
  Top Layer w0.2: v1(44.45,7.874) 44.778,8.202 44.778,8.636 46.482,10.34 46.482,14.478 v1(46.99,14.986)
  Bottom Layer w0.2: 30.48,8.89 31.75,10.16 42.164,10.16 v1(44.45,7.874) ; VD2.3@46.355,21.937 45.466,21.048 45.466,16.51 v1(46.99,14.986)
NetR68_1: R68.1 X34.2 | length 3.3
  Top Layer w0.6: R68.1@92.71,103.378 X34.2@92.71,106.68
NetR69_2: R69.2 X35.1 | length 2.9
  Top Layer w0.6: X35.1@114.3,106.172 114.452,106.324 R69.2@114.452,108.966
NetX1_2: X1.2 XP2.17 | length 5.1
  Bottom Layer w1: X1.2@90.17,31.75 XP2.17@90.17,36.83
NetX2_2: X2.2 XP2.19 | length 5.6
  Bottom Layer w1: XP2.19@92.71,36.83 92.71,33.02 X2.2@93.98,31.75
NetX3_2: X3.2 XP3.7 | length 28.6
  Top Layer w0.6: XP3.7@12.7,39.37 12.7,43.398 cw(c15.24,43.398) 13.444,45.194 17.036,48.786 cw(c18.832,46.99) 18.832,49.53 X3.2@34.29,49.53
NetX11_2: X11.2 XS2.10 XS3.9 | length 46.8
  Top Layer w0.3: X11.2@105.41,24.13 105.41,17.78 110.49,12.7 v1(129.286,12.7) ; v1@129.286,12.649 XS2.10@134.56,12.649
  Bottom Layer w0.3: v1(129.286,12.7) 129.44,12.854 XS3.9@129.44,21.83
NetX12_2: X12.2 XS2.11 | length 42.5
  Top Layer w0.3: X12.2@109.22,24.13 109.22,17.78 113.03,13.97 142.099,13.97 XS2.11@143.31,12.759
NetX36_2: X36.2 XP11.8 | length 19.7
  Top Layer w1: X36.2@121.92,109.22 127.508,114.808 127.508,117.348 129.54,119.38 133.35,119.38 134.25,118.48 XP11.8@134.25,117.14
NetX37_2: X37.2 XP12.8 | length 20.9
  Top Layer w1: X37.2@88.9,109.22 90.17,109.22 95.25,114.3 95.25,118.11 96.52,119.38 100.584,119.38 101.865,118.099 XP12.8@101.865,117.14
NetXP8_2: XP8.2 XP8.7 | length 8.7
  Top Layer w0.4: XP8.7@73.58,121.92 74.85,120.65 79.93,120.65 XP8.2@81.2,119.38
NetXP9_2: XP9.2 XP9.7 | length 8.7
  Top Layer w0.4: XP9.7@51.99,121.92 53.26,120.65 58.34,120.65 XP9.2@59.61,119.38
NRST: C11.2 DD1.14 DD10.42 R8.1 SB1.3 SB1.4 XP1.15 XP10.18 | length 148.7
  Top Layer w0.2: v1(29.718,65.532) 31.242,64.008 36.83,64.008 36.838,64.016 DD1.14@46.86,64.016 ; v1@35.56,27.94 XP10.18@35.56,36.83 ; v1(40.894,18.542) 41.025,18.411 DD10.42@41.025,16.197
  Top Layer w0.3: v1(27.432,47.752) v1(34.29,40.894) ; v1(27.432,61.976) 27.432,63.246 v1(29.718,65.532)
  Bottom Layer w0.2: SB1.4@29.555,76.91 39.259,86.614 53.34,86.614 56.642,89.916 56.642,91.44 57.912,92.71 80.772,92.71 81.28,92.202 81.28,90.17 XP1.15@80.01,88.9 ; v1(35.56,28.194) 35.56,26.744 40.894,21.41 v1(40.894,18.542)
  Bottom Layer w0.3: v1(27.432,47.752) v1(27.432,61.976) ; v1(34.29,40.894) 34.29,38.1 XP10.18@35.56,36.83
  Bottom Layer w0.6: SB1.4@29.555,76.91 SB1.3@29.555,70.41 29.87,70.095 C11.2@29.87,67.31 29.87,65.684 v1(29.718,65.532)